# KiCad board thisoneinitiald.kicad_pcb (continued)
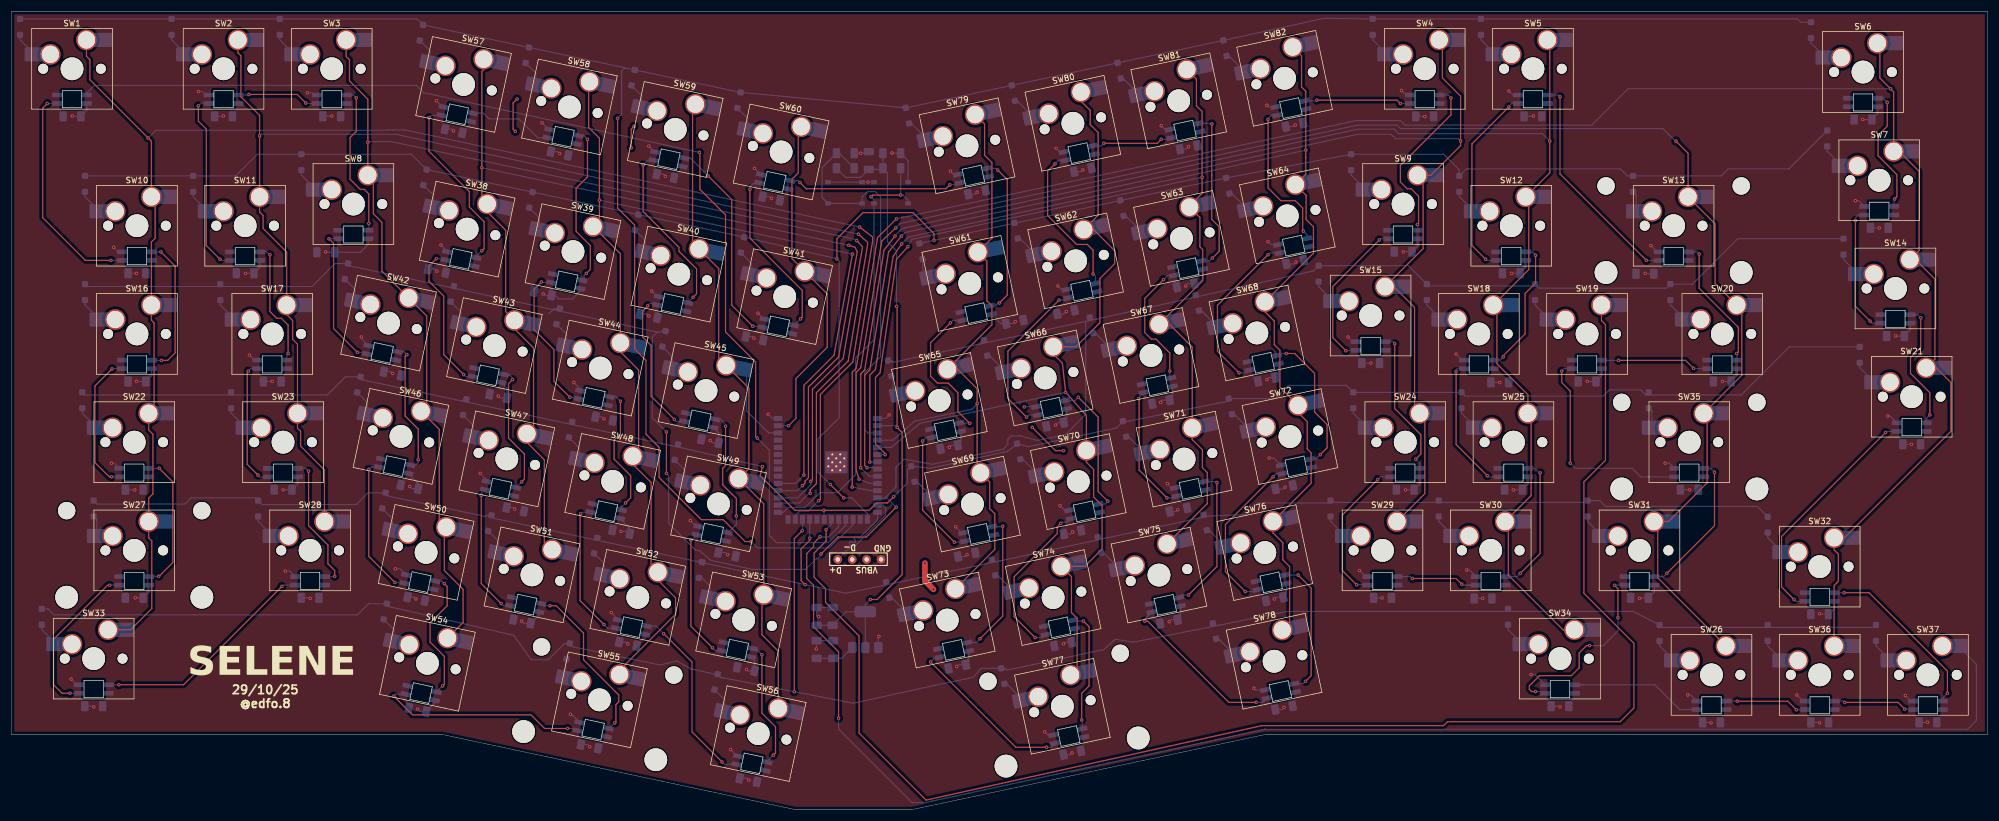
[diagram p0: board, top side]
## Routing (per net, layer and track width the routed paths; a pad name or vN(x,y) marks a point on that pad's centre or on a via; arc(x,y) is an arc through that point) (continued)
COL 14: length 262.6
  Top w0.2: v1(143.42,49.28) 143.42,47.28 141.32,45.18 141.32,40.88 143.32,38.88 143.32,36.48 149.22,30.58 149.22,13.48 161.02,1.68 220.12,14.78 252.12,14.78 252.82,15.48 283.22,15.48 285.62,17.88 285.62,29.28 276.82,38.08 276.82,57.68 280.62,61.48 280.62,85.38 279.92,86.08 SW19.1
  Bottom w0.2: v1(143.42,49.28) 144.36,50.22 144.36,51.08
COL 15: length 297.4
  Top w0.2: v1(293.02,117.68) 295.16,115.54 SW13.1 299.92,103.1 299.92,92.62 SW20.1 304.62,87.92 304.62,76.46 SW35.1 298.52,69.16 298.52,57.53 291.7,50.71 SW31.1 289.82,50.05 289.82,40.81 SW26.1 ; v1(149.22,58.18) 148.72,59.78 148.72,76.98 149.52,77.78 153.22,100.08 v1(155.7,102.41)
  Bottom w0.2: v1(155.7,102.41) 156.52,103.18 236.92,120.48 243.92,120.48 244.52,119.88 290.72,119.88 292.92,117.68 v1(293.02,117.68) ; v1(149.22,58.18) 151.09,57.41 U3.10
COL 16: length 360
  Top w0.2: SW6.1 328.92,134.49 328.92,128.78 331.35,126.35 SW7.1 332.34,115.86 335.82,112.38 335.82,98.42 SW14.1 335.19,96.81 338.62,93.38 338.62,79.31 SW21.1 338.84,77.76 341.42,75.18 341.42,66.58 322.69,47.85 SW32.1 320.88,45.73 321.62,44.98 321.62,40.18 320.88,39.44 SW36.1 ; v1(148.02,56.78) 148.02,76.98 148.72,77.68 152.48,100.68 v1(155.82,104)
  Bottom w0.2: U3.11 151.26,56.14 v1(148.02,56.78) ; v1(330.82,126.88) 284.62,126.88 278.22,120.48 245.32,120.48 244.52,121.28 236.72,121.28 v1(155.82,104)
COL 17: length 264.6
  Top w0.2: v1(142.37,48.03) 141.22,46.88 141.22,46.28 140.02,45.08 140.02,40.68 141.22,39.48 141.22,32.18 145.62,27.78 v1(145.62,16.08)
  Bottom w0.2: v1(145.62,16.08) 145.62,14.18 158.57,1.24 160.82,1.24 220.65,14.15 344.39,14.15 345.92,15.68 345.92,25.59 SW37.1 ; v1(142.37,48.03) 142.42,47.98 143.82,47.98 145.62,49.79 U3.19
D+: length 13.2
  Bottom w0.2: U3.14 152.47,51.02 149.32,47.88 arc(149.15,47.81) 148.98,47.88 148.83,48.03 arc(148.66,48.1) 148.49,48.03 148.4,47.95 arc(148.33,47.78) 148.4,47.61 148.56,47.45 arc(148.63,47.28) 148.56,47.11 148.47,47.03 arc(148.3,46.96) 148.13,47.03 147.98,47.18 arc(147.81,47.25) 147.64,47.18 147.55,47.1 arc(147.48,46.93) 147.55,46.76 147.71,46.6 arc(147.78,46.43) 147.71,46.26 U2.4
D-: length 13.2
  Bottom w0.2: U3.13 153.42,53.6 153.92,53.1 153.92,51.84 148.02,45.94 U2.3
LED DATA: length 199.2
  Top w0.2: v1(121.12,115.68) 121.22,115.58 121.22,109.18 125.72,104.68 125.72,84.08 131.02,78.78 131.02,65.68 v1(131.32,65.38)
  Bottom w0.2: v1(131.32,65.38) 133.42,63.28 133.42,48.28 134.72,46.98 143.82,46.98 146.9,50.06 U3.18 ; v1(121.12,115.68) 72.62,126.18 71.32,127.48 14.6,127.48 13.28,126.17 LED1.3
RESET: length 70.3
  Bottom w0.2: R1.2 145.73,115.54 C1.1 142.72,113.01 142.72,107.75 S1.A S1.B 149.76,107.82 150.72,108.79 152.13,108.79 153.03,107.88 153.03,79.74 150.22,76.93 150.22,66.88 150.8,66.3 U3.3
ROW 1: length 436.7
  Top w0.2: v1(130.22,47.18) 130.32,47.18 129.17,47.18 125.32,51.03 121.47,51.03 114.02,58.48 114.02,63.78 111.72,66.08 111.72,79.08 109.72,81.08 109.72,102.88 106.72,105.88 v1(106.72,121.68)
  Bottom w0.2: U3.17 148.17,50.13 146.22,48.18 146.12,48.18 144.02,46.08 131.32,46.08 v1(130.22,47.18) ; D6.1 315,138.6 314.43,139.17 D4.1 231.02,139.28 D82.1 D79.1 D60.1 108.02,130.57 ; 108.02,130.57 107.42,129.97 107.42,122.38 v1(106.72,121.68) ; 108.02,130.57 D57.1 71.43,139.17 D1.1
ROW 2: length 382
  Top w0.2: v1(146.52,54.88) v1(144.17,57.23) ; v1(145.32,96.96) 145.32,100.48 149.92,105.08 158.72,105.08 162.42,101.38 v1(162.42,100.21)
  Bottom w0.2: D61.1 v1(162.42,100.21) D64.1 D9.1 252.15,115.36 254.9,112.61 D12.1 256.13,112.78 283.23,112.78 284.47,111.55 300.98,111.55 302.22,112.78 312.9,112.78 D7.1 ; v1(144.17,57.23) 142.02,59.38 142.02,65.28 145.72,68.98 145.72,96.56 v1(145.32,96.96) D41.1 D38.1 70.4,115.36 D8.1 43.3,115.36 39.49,111.55 D11.1 D10.1 ; U3.15 150.71,52.1 147.92,54.88 v1(146.52,54.88)
ROW 3: length 433.2
  Top w0.2: v1(155.77,53.23) 150.52,47.98 145.52,47.98 v1(142.52,44.98) ; v1(115.32,59.18) v1(115.32,66.48)
  Bottom w0.2: 153.92,54.98 153.72,54.78 153,54.78 152.91,54.87 U3.12 ; 153.92,54.98 155.72,56.78 155.72,60.28 157.12,61.68 162.12,60.78 174.72,63.48 175.42,64.48 175.42,65.18 176.02,65.78 177.62,65.78 180.62,64.98 185.52,65.98 189.12,69.58 189.12,85.94 ; 153.92,54.98 154.02,54.98 v1(155.77,53.23) ; D65.1 154.94,79.05 155.22,78.77 170.52,81.96 ; 170.52,81.96 171.21,82.65 D66.1 ; 170.52,81.96 189.12,85.94 ; D16.1 13.38,92.08 36.36,92.08 D17.1 37.19,92.08 52.92,92.08 56.96,96.12 D42.1 59.79,95.6 60.12,95.6 113.72,84.04 ; v1(142.52,44.98) 142.52,44.78 141.92,44.18 141.72,44.18 139.82,42.28 130.42,42.28 123.12,43.88 121.09,45.64 120.47,45.64 115.72,50.39 115.72,58.78 v1(115.32,59.18) ; 189.12,85.94 190.72,86.28 229.22,94.83 D15.1 245.94,95.74 D18.1 249.5,92.18 267.91,92.18 D19.1 268.94,91.78 291.33,91.78 D20.1 295.94,92.5 303.94,100.5 D14.1 ; 113.72,84.04 114.12,83.96 114.4,84.24 D45.1 ; 113.72,84.04 112.82,83.14 112.82,68.98 v1(115.32,66.48) ; 233.32,95.74 232.12,95.74 ; 94.62,87.28 95.53,88.2 D44.1
ROW 4: length 336.4
  Top w0.2: v1(132.22,60.38) 131.82,58.78 137.92,52.68 v1(143.02,52.68) 151.02,52.68 152.32,53.98 154.22,53.98 v1(155.32,55.08)
  Bottom w0.2: D21.1 312.99,81.45 304.52,72.98 287.7,72.98 286.8,73.88 281.32,73.88 280.22,72.78 255.94,72.78 255.28,73.45 236.23,73.45 234.99,74.68 224.82,74.68 222.47,72.34 D72.1 213.67,71.7 213.12,71.7 196.6,68.38 D71.1 194.52,67.18 179.02,63.88 D70.1 175.42,63.08 161.82,60.08 D69.1 157.72,59.77 157.72,57.48 v1(155.32,55.08) ; D47.1 79.74,72.22 79.42,71.9 62.04,75.6 D46.1 58.81,76.18 55.62,72.98 12.95,72.98 12.48,73.45 ; U3.21 143.09,52.62 v1(143.02,52.68) ; 79.32,71.92 99.62,67.58 118.42,63.58 v1(132.22,60.38)
ROW 5: length 316.7
  Top w0.2: v1(139.72,39.62) 139.02,40.32 139.02,45.88 140.55,47.41 v1(140.55,47.78)
  Bottom w0.2: D32.1 307.34,53.38 280.62,53.38 279.6,54.4 D31.1 277.15,54.08 251.59,54.08 D30.1 250.96,54.08 232.54,54.08 D29.1 231.81,53.98 219.42,53.98 217.36,51.92 210.82,51.68 192.62,47.78 174.02,43.78 146.92,38.08 120.82,43.64 ; 120.82,43.64 85.22,51.22 85.1,51.22 D51.1 83.74,51.8 83.52,51.59 66.5,55.14 D50.1 62.84,55.76 62.82,55.78 60.72,53.68 44.16,53.68 D28.1 42.96,54.88 31.62,54.88 30.52,53.78 15.1,53.78 D27.1 ; 120.82,43.64 121.06,43.88 121.78,43.88 ; v1(140.55,47.78) U3.23
ROW 6: length 365.1
  Top w0.2: v1(137.82,20.76) 137.82,47.68 v1(139.22,49.08)
  Bottom w0.2: D37.1 327.83,32.08 290.54,32.08 D26.1 285.52,34.88 224.52,34.88 212.72,32.48 197.52,29.48 194.32,29.98 192.32,28.18 175.22,24.54 174.89,24.87 D77.1 170.71,24.87 169.32,23.28 162.52,21.88 148.22,18.73 v1(137.82,20.76) ; v1(137.82,20.76) 137.9,20.76 ; v1(137.82,20.76) 125.32,23.19 125.01,23.19 D56.1 123.74,23.86 119.62,24.78 117.12,26.18 114.22,25.45 98.93,28.63 D55.1 97.39,29.25 94.52,26.38 91.52,26.38 88.42,30.68 67.12,35.6 66.75,35.6 D54.1 62.87,36.24 60.92,34.28 7.52,34.28 6.46,35.35 5.34,35.35 ; U3.24 139.28,49.14 v1(139.22,49.08)
Net-(D1-A): length 4.5
  Bottom w0.2: D1.2 1.53,135.51 SW1.2
Net-(D2-A): length 4.5
  Bottom w0.2: D2.2 28.2,135.51 SW2.2
Net-(D3-A): length 4.5
  Bottom w0.2: D3.2 47.25,135.51 SW3.2
Net-(D4-A): length 4.5
  Bottom w0.2: D4.2 239.66,135.51 SW4.2
Net-(D5-A): length 4.5
  Bottom w0.2: D5.2 258.7,135.51 SW5.2
Net-(D6-A): length 4.5
  Bottom w0.2: SW6.2 316.81,134.94 D6.2
Net-(D7-A): length 4.5
  Bottom w0.2: D7.2 319.66,115.89 SW7.2
Net-(D8-A): length 4.5
  Bottom w0.2: SW8.2 51.06,111.7 D8.2
Net-(D9-A): length 4.5
  Bottom w0.2: SW9.2 235.84,111.7 D9.2
Net-(D10-A): length 4.5
  Bottom w0.2: SW10.2 12.96,107.89 12.96,108.75
Net-(D11-A): length 4.5
  Bottom w0.2: SW11.2 32.01,107.89 32.01,108.75
Net-(D12-A): length 4.5
  Bottom w0.2: SW12.2 254.9,107.89 254.9,108.75
Net-(D13-A): length 3.7
  Bottom w0.2: 285.47,108.75 286.03,108.18 SW13.2
Net-(D14-A): length 4.5
  Bottom w0.2: SW14.2 322.52,96.84 D14.2
Net-(D15-A): length 4.5
  Bottom w0.2: D15.2 230.13,92.08 SW15.2
Net-(D16-A): length 4.5
  Bottom w0.2: D16.2 12.96,88.84 SW16.2
Net-(D17-A): length 4.5
  Bottom w0.2: D17.2 36.77,88.84 SW17.2
Net-(D18-A): length 4.5
  Bottom w0.2: D18.2 249.18,88.84 SW18.2
Net-(D19-A): length 4.5
  Bottom w0.2: SW19.2 268.23,88.84 D19.2
Net-(D20-A): length 4.5
  Bottom w0.2: SW20.2 292.04,88.84 D20.2
Net-(D21-A): length 4.5
  Bottom w0.2: D21.2 325.38,77.79 SW21.2
Net-(D22-A): length 4.5
  Bottom w0.2: D22.2 12.48,69.79 SW22.2
Net-(D23-A): length 4.5
  Bottom w0.2: SW23.2 38.68,69.79 D23.2
Net-(D24-A): length 4.5
  Bottom w0.2: D24.2 236.23,69.79 SW24.2
Net-(D25-A): length 4.5
  Bottom w0.2: SW25.2 255.28,69.79 D25.2
Net-(D26-A): length 4.5
  Bottom w0.2: D26.2 290.14,28.83 SW26.2
Net-(D27-A): length 3.7
  Bottom w0.2: D27.2 15.05,51.03 SW27.2
Net-(D28-A): length 4.5
  Bottom w0.2: SW28.2 43.44,50.74 D28.2
Net-(D29-A): length 4.5
  Bottom w0.2: D29.2 232.23,50.74 SW29.2
Net-(D30-A): length 4.5
  Bottom w0.2: D30.2 251.28,50.74 SW30.2
Net-(D31-A): length 4.5
  Bottom w0.2: D31.2 277.47,50.74 SW31.2
Net-(D32-A): length 4.5
  Bottom w0.2: D32.2 309.19,47.88 SW32.2
Net-(D33-A): length 4.5
  Bottom w0.2: SW33.2 5.34,31.69 D33.2
Net-(D34-A): length 4.5
  Bottom w0.2: D34.2 263.47,31.69 SW34.2
Net-(D35-A): length 3.7
  Bottom w0.2: SW35.2 288.8,70.08 D35.2
Net-(D36-A): length 4.5
  Bottom w0.2: SW36.2 309.19,28.83 D36.2
Net-(D37-A): length 4.5
  Bottom w0.2: SW37.2 328.24,28.83 D37.2
Net-(D38-A): length 4.6
  Bottom w0.2: D38.2 74.32,108.12 SW38.2
Net-(D39-A): length 4.6
  Bottom w0.2: SW39.2 92.95,104.16 D39.2
Net-(D40-A): length 4.6
  Bottom w0.2: SW40.2 111.59,100.2 D40.2
Net-(D41-A): length 4.6
  Bottom w0.2: D41.2 130.22,96.24 SW41.2
Net-(D42-A): length 4.6
  Bottom w0.2: D42.2 60.48,91.58 SW42.2
Net-(D43-A): length 4.6
  Bottom w0.2: SW43.2 79.12,87.62 D43.2
Net-(D44-A): length 4.6
  Bottom w0.2: D44.2 97.75,83.66 SW44.2
Net-(D45-A): length 4.6
  Bottom w0.2: SW45.2 116.38,79.71 D45.2
Net-(D46-A): length 4.6
  Bottom w0.2: SW46.2 62.67,71.64 D46.2
Net-(D47-A): length 4.6
  Bottom w0.2: D47.2 81.31,67.68 SW47.2
Net-(D48-A): length 4.6
  Bottom w0.2: SW48.2 99.94,63.72 D48.2
Net-(D49-A): length 4.6
  Bottom w0.2: SW49.2 118.57,59.76 D49.2
Net-(D50-A): length 4.6
  Bottom w0.2: D50.2 67.1,51.23 SW50.2
Net-(D51-A): length 4.6
  Bottom w0.2: SW51.2 85.73,47.27 D51.2
Net-(D52-A): length 4.6
  Bottom w0.2: D52.2 104.36,43.31 SW52.2
Net-(D53-A): length 4.6
  Bottom w0.2: SW53.2 123,39.35 121.2,41.14
Net-(D54-A): length 4.6
  Bottom w0.2: SW54.2 67.33,31.7 D54.2
Net-(D55-A): length 3.4
  Bottom w0.2: SW55.2 97.61,26.39 D55.2
Net-(D56-A): length 4.6
  Bottom w0.2: SW56.2 125.56,19.33 D56.2
Net-(D57-A): length 4.6
  Bottom w0.2: D57.2 73.69,133.59 SW57.2
Net-(D58-A): length 4.6
  Bottom w0.2: SW58.2 92.32,129.63 D58.2
Net-(D59-A): length 4.6
  Bottom w0.2: D59.2 110.96,125.67 SW59.2
Net-(D60-A): length 4.6
  Bottom w0.2: SW60.2 129.59,121.71 D60.2
Net-(D61-A): length 3.7
  Bottom w0.2: SW61.2 160.41,95.08 D61.2
Net-(D62-A): length 4.4
  Bottom w0.2: SW62.2 177.56,100.53 D62.2
Net-(D63-A): length 4.4
  Bottom w0.2: SW63.2 196.19,104.49 D63.2
Net-(D64-A): length 4.4
  Bottom w0.2: D64.2 214.83,108.45 SW64.2
Net-(D65-A): length 3.8
  Bottom w0.2: SW65.2 155.21,74.31 155.21,76.41
Net-(D66-A): length 4.4
  Bottom w0.2: SW66.2 172.2,79.92 D66.2
Net-(D67-A): length 4.4
  Bottom w0.2: D67.2 190.84,83.88 SW67.2
Net-(D68-A): length 4.4
  Bottom w0.2: D68.2 209.47,87.84 SW68.2
Net-(D69-A): length 4.4
  Bottom w0.2: SW69.2 159.39,57.72 D69.2
Net-(D70-A): length 4.4
  Bottom w0.2: SW70.2 178.03,61.68 D70.2
Net-(D71-A): length 4.4
  Bottom w0.2: D71.2 196.66,65.64 SW71.2
Net-(D72-A): length 4.4
  Bottom w0.2: SW72.2 215.29,69.6 D72.2
Net-(D73-A): length 4.4
  Bottom w0.2: SW73.2 154.97,37.3 D73.2
Net-(D74-A): length 4.4
  Bottom w0.2: D74.2 173.6,41.26 SW74.2
Net-(D75-A): length 4.4
  Bottom w0.2: SW75.2 192.23,45.22 D75.2
Net-(D76-A): length 4.4
  Bottom w0.2: D76.2 210.87,49.18 SW76.2
Net-(D77-A): length 4.4
  Bottom w0.2: D77.2 175.23,22.13 SW77.2
Net-(D78-A): length 4.4
  Bottom w0.2: D78.2 212.5,30.05 SW78.2
Net-(D79-A): length 4.4
  Bottom w0.2: D79.2 158.44,120.78 SW79.2
Net-(D80-A): length 4.4
  Bottom w0.2: SW80.2 177.08,124.74 D80.2
Net-(D81-A): length 4.4
  Bottom w0.2: D81.2 195.71,128.7 SW81.2
Net-(D82-A): length 4.4
  Bottom w0.2: SW82.2 214.35,132.67 D82.2
Net-(LED1-DOUT): length 39.3
  Top w0.2: v1(17.52,96.68) 13.02,96.68 5.52,104.18 5.52,123.48 v1(6.32,124.28)
  Bottom w0.2: v1(17.52,96.68) 19.5,96.68 LED10.3 ; LED1.1 6.33,124.29 v1(6.32,124.28)
Net-(LED2-DOUT): length 14.5
  Top w0.2: v1(41.82,125.88) 50.32,125.88 v1(51.82,124.38)
  Bottom w0.2: v1(41.82,125.88) 41.73,125.79 LED2.1 ; v1(51.82,124.38) 51.91,124.29 LED3.3
Net-(LED3-DOUT): length 27.5
  Top w0.2: v1(62.92,103.18) 62.92,108.38 62.12,109.18 61.42,109.18 59.62,110.98 59.62,118.28 60.72,119.38 v1(60.72,125.28)
  Bottom w0.2: LED3.1 60.21,125.79 v1(60.72,125.28) ; v1(62.92,103.18) 62.92,102.09 LED8.3
Net-(LED4-DIN): length 18.9
  Top w0.2: v1(244.52,124.28) 243.92,124.88 v1(229.82,124.88)
  Bottom w0.2: v1(244.52,124.28) 246.2,124.28 LED4.3 ; v1(229.82,124.88) 229.7,124.76 LED82.1
Net-(LED4-DOUT): length 31.1
  Top w0.2: v1(253.42,125.28) 253.42,122.28 244.52,113.38 244.52,110.48 245.72,109.28 246.42,109.28 247.72,107.98 247.72,103.18 v1(247.52,102.98)
  Bottom w0.2: v1(253.42,125.28) 252.91,125.79 251.41,125.79 ; v1(247.52,102.98) 247.59,102.91 LED9.3
Net-(LED6-DIN): length 22.5
  Top w0.2: v1(330.22,124.48) 330.22,120.28 328.62,118.68 328.62,115.08 331.92,111.78 331.92,107.88 v1(331.52,107.48)
  Bottom w0.2: v1(331.52,107.48) 331.41,107.38 LED7.1 ; v1(330.22,124.48) 329.48,125.22 LED6.3
Net-(LED10-DOUT): length 25.1
  Top w0.2: v1(26.32,98.18) 28.82,95.68 28.82,80.38 27.52,79.08 v1(26.42,79.08)
  Bottom w0.2: LED16.3 24.75,79.08 v1(26.42,79.08) ; v1(26.32,98.18) 26.31,98.17 LED10.1
Net-(LED11-DIN): length 22.5
  Top w0.2: v1(45.52,97.68) 45.52,87.68 46.72,86.48 47.52,86.48 48.72,85.28 v1(48.72,80.28)
  Bottom w0.2: v1(45.52,97.68) 45.42,97.68 44.82,98.28 43.87,98.28 LED11.3 ; v1(48.72,80.28) 48.52,80.09 LED17.1
Net-(LED11-DOUT): length 32.7
  Top w0.2: 34.32,119.58 34.32,119.78 32.92,121.18 v1(32.92,123.88) ; 34.32,119.58 34.32,99.28 v1(36.72,96.88) ; 34.32,119.58 34.32,119.48
  Bottom w0.2: v1(32.92,123.88) 33.42,124.38 34.66,124.38 LED2.3 ; LED11.1 36.93,96.67 v1(36.72,96.88)
Net-(LED12-DIN): length 34.5
  Top w0.2: v1(263.62,123.68) 257.12,117.18 257.12,99.28 v1(259.52,96.88)
  Bottom w0.2: v1(259.52,96.88) 259.73,96.67 LED18.1 ; 265.25,124.29 265.16,124.38 264.22,124.38 263.62,123.78 v1(263.62,123.68)
Net-(LED12-DOUT): length 39.6
  Top w0.2: v1(287.82,96.68) 272.62,111.88 v1(272.62,125.48)
  Bottom w0.2: LED12.1 272.31,125.79 v1(272.62,125.48) ; v1(287.82,96.68) 287.83,96.67 LED5.3
Net-(LED13-DIN): length 23.7
  Top w0.2: v1(297.12,97.78) 297.12,91.78 304.02,84.88 304.02,80.58 v1(303.72,80.28)
  Bottom w0.2: v1(297.12,97.78) 296.73,98.17 LED5.1 ; v1(303.72,80.28) 303.79,80.21 LED13.3
Net-(LED13-DOUT): length 19.2
  Top w0.2: v1(296.12,77.68) 294.72,79.08 v1(282.92,79.08)
  Bottom w0.2: v1(296.12,77.68) 296.18,77.62 LED13.1 ; v1(282.92,79.08) 280.02,79.08 LED20.3
Net-(LED14-DIN): length 23
  Top w0.2: v1(337.72,69.48) 337.72,73.38 334.32,76.78 334.32,79.58 336.12,81.38 v1(336.12,86.58)
  Bottom w0.2: v1(336.12,86.58) 335.58,87.12 LED14.3 ; LED21.1 337.13,68.89 v1(337.72,69.48)
Net-(LED14-DOUT): length 23.1
  Top w0.2: v1(327.22,85.98) 324.62,88.58 v1(324.62,103.68)
  Bottom w0.2: v1(324.62,103.68) 324.62,104.18 325.11,104.67 LED7.3 ; v1(327.22,85.98) 327.58,85.62 LED14.1
Net-(LED15-DIN): length 27.3
  Top w0.2: v1(240.82,100.28) 232.62,92.08 232.62,83.08 v1(234.92,80.78)
  Bottom w0.2: v1(240.82,100.28) 241.02,100.48 LED9.1 ; v1(234.92,80.78) 236.6,80.78 LED15.3
Net-(LED15-DOUT): length 26.4
  Top w0.2: v1(247.22,61.68) 248.12,62.58 248.12,65.99 243.52,70.59 v1(243.52,81.98)
  Bottom w0.2: LED15.1 243.34,82.36 243.52,82.18 v1(243.52,81.98) ; v1(247.22,61.68) 247.98,60.93 LED24.3
Net-(LED16-DOUT): length 24.9
  Top w0.2: v1(17.72,77.58) 14.72,74.58 14.72,61.08 17.22,58.58 v1(17.62,58.58)
  Bottom w0.2: v1(17.72,77.58) 17.76,77.62 LED16.1 ; v1(17.62,58.58) 19.02,58.58 LED22.3
Net-(LED17-DIN): length 22.9
  Top w0.2: v1(41.72,77.18) 41.52,76.98 41.52,60.78 v1(43.42,58.88)
  Bottom w0.2: v1(43.42,58.88) 43.73,58.57 LED23.1 ; LED17.3 42.16,77.62 v1(41.72,77.18)
Net-(LED18-DIN): length 24.1
  Top w0.2: v1(262.62,79.68) 262.62,79.88 266.47,83.73 266.47,90.83 268.32,92.68 v1(268.32,97.58)
  Bottom w0.2: v1(268.32,97.58) 267.73,98.17 LED18.3 ; LED19.1 262.06,79.12 v1(262.62,79.68)
Net-(LED19-DIN): length 24.5
  Top w0.2: v1(259.82,58.78) 254.32,64.28 v1(254.32,77.08)
  Bottom w0.2: v1(254.32,77.08) 254.32,77.38 254.52,77.58 255.69,77.58 LED19.3 ; v1(259.82,58.78) 260.03,58.57 LED25.1
Net-(LED20-DOUT): length 38.2
  Top w0.2: v1(272.92,77.18) 272.92,75.18 274.42,73.68 v1(274.42,60.98)
  Bottom w0.2: LED26.3 286.83,58.57 285.32,60.08 275.32,60.08 v1(274.42,60.98) ; v1(272.92,77.18) 273.36,77.62 LED20.1
Net-(LED21-DIN): length 42
  Top w0.2: v1(313.82,36.98) 311.62,39.18 311.62,48.08 v1(329.92,66.38)
  Bottom w0.2: v1(329.92,66.38) 330.11,66.57 LED21.3 ; v1(313.82,36.98) 314.14,36.66 LED32.1
Net-(LED22-DOUT): length 24.6
  Top w0.2: v1(25.92,41.08) 26.02,41.08 28.42,43.48 28.42,57.68 v1(26.02,60.08)
  Bottom w0.2: v1(26.02,60.08) 26.01,60.07 LED22.1 ; LED27.3 24.3,41.08 v1(25.92,41.08)
Net-(LED23-DIN): length 24.3
  Top w0.2: v1(56.92,41.08) 56.92,42.08 55.72,43.28 55.72,46.58 52.32,49.98 v1(52.32,59.58)
  Bottom w0.2: v1(56.92,41.08) 56.86,41.02 LED28.1 ; LED23.3 51.83,60.07 v1(52.32,59.58)
Net-(LED24-DOUT): length 26.5
  Top w0.2: v1(236.82,39.58) 234.32,42.08 234.32,51.88 v1(240.52,58.08)
  Bottom w0.2: v1(236.82,39.58) 238.71,39.58 LED29.3 ; LED24.1 241.01,58.57 v1(240.52,58.08)
Net-(LED25-DIN): length 24.4
  Top w0.2: v1(269.12,59.28) 269.12,45.08 v1(265.62,41.58)
  Bottom w0.2: v1(269.12,59.28) 268.92,59.28 268.13,60.07 LED25.3 ; LED30.1 265.06,41.02 v1(265.62,41.58)
Net-(LED26-DOUT): length 25.9
  Top w0.2: v1(299.82,59.38) 299.82,49.98 v1(291.42,41.58)
  Bottom w0.2: LED26.1 299.13,60.07 v1(299.82,59.38) ; v1(291.42,41.58) 290.82,40.98 289.26,40.98 LED31.3
Net-(LED27-DOUT): length 28.7
  Top w0.2: v1(10.32,20.48) 8.92,20.48 7.42,21.98 7.42,29.98 16.92,39.48 v1(17.32,39.48)
  Bottom w0.2: LED27.1 17.36,39.52 v1(17.32,39.48) ; LED33.3 11.88,20.48 v1(10.32,20.48)
Net-(LED28-DIN): length 40.2
  Top w0.2: v1(18.92,21.98) 30.32,21.98 v1(47.62,39.28)
  Bottom w0.2: v1(47.62,39.28) 47.86,39.52 LED28.3 ; v1(18.92,21.98) 18.91,21.97 LED33.1
Net-(LED29-DOUT): length 16.1
  Top w0.2: v1(246.62,40.68) 254.32,40.68 v1(255.32,39.68)
  Bottom w0.2: LED30.3 255.48,39.52 v1(255.32,39.68) 255.52,39.48 256.82,39.48 ; v1(246.62,40.68) 246.28,41.02 LED29.1
Net-(LED31-DOUT): length 34.9
  Top w0.2: v1(282.82,33.78) 282.82,38.88 v1(282.22,39.48) ; v1(277.82,28.88) 277.29,28.88 275.99,27.58 275.99,24.96 274.62,23.58 269.02,23.58 267.22,21.78 267.22,21.18 267.62,20.78 v1(268.32,20.78)
  Bottom w0.2: v1(268.32,20.78) 269.7,20.78 LED34.3 ; v1(282.22,39.48) 282.26,39.52 LED31.1 ; v1(282.82,33.78) 282.82,31.48 280.22,28.88 v1(277.82,28.88)
Net-(LED32-DIN): length 31.2
  Top w0.2: v1(322.62,38.18) 327.02,38.18 340.82,24.38 v1(340.82,20.48)
  Bottom w0.2: v1(322.62,38.18) 320.96,38.18 LED32.3 ; v1(340.82,20.48) 339.99,19.65 LED37.1
Net-(LED34-DOUT): length 25
  Bottom w0.2: 276.83,21.97 LED34.1 289.33,21.97 293.69,17.61 LED35.3 296.62,17.68
Net-(LED35-DOUT): length 14.5
  Top w0.2: v1(303.82,19.08) 312.72,19.08 v1(314.22,17.58)
  Bottom w0.2: v1(314.22,17.58) 315.71,17.58 LED36.3 ; LED35.1 303.79,19.11 v1(303.82,19.08)
Net-(LED36-DOUT): length 14.5
  Top w0.2: v1(333.32,17.68) 332.12,18.88 v1(322.72,18.88)
  Bottom w0.2: LED36.1 322.49,19.11 v1(322.72,18.88) ; LED37.3 334.72,17.68 v1(333.32,17.68)
Net-(LED38-DIN): length 27.4
  Top w0.2: v1(79.62,76.58) 76.12,80.08 76.12,90.38 73.52,92.98 73.52,95.68 v1(74.82,96.98)
  Bottom w0.2: LED38.3 76.16,96.48 76.16,96.98 v1(74.82,96.98) ; v1(79.62,76.58) 79.96,76.24 LED43.1
Net-(LED38-DOUT): length 31.7
  Top w0.2: v1(82.82,98.38) 83.22,98.78 83.22,103.48 80.62,106.08 80.62,108.78 73.52,115.88 v1(73.52,121.78)
  Bottom w0.2: LED57.3 73.94,122.21 v1(73.52,121.78) ; LED38.1 81.82,97.38 v1(82.82,98.38)
Net-(LED39-DIN): length 27.6
  Top w0.2: v1(98.32,72.58) 95.52,75.38 95.52,80.98 92.02,84.48 92.02,91.58 v1(93.32,92.88)
  Bottom w0.2: 100.08,71.9 100.15,72.25 100.12,72.28 LED39.3 99.55,72.58 v1(98.32,72.58) ; v1(93.32,92.88) 93.42,92.78 LED59.1
Net-(LED39-DOUT): length 23.8
  Top w0.2: v1(108.12,53.98) 109.02,54.88 109.02,58.78 106.12,61.68 106.12,65.08 107.22,66.18 v1(107.22,71.88)
  Bottom w0.2: v1(108.12,53.98) 107.44,53.3 LED44.3 ; v1(107.22,71.88) 106.43,72.67 LED39.1
Net-(LED40-DIN): length 37.1
  Top w0.2: v1(130.52,85.08) 126.82,88.78 126.82,107.38 v1(122.67,111.53)
  Bottom w0.2: LED40.3 132.1,85.08 v1(130.52,85.08) ; v1(122.67,111.53) 119.53,114.67 LED41.1
Net-(LED40-DOUT): length 30.8
  Top w0.2: v1(130.02,109.18) 130.02,100.58 139.22,91.38 139.22,86.68 v1(138.92,86.38)
  Bottom w0.2: v1(138.92,86.38) 137.78,85.25 LED40.1 ; LED60.3 131.55,110.18 130.59,110.18 130.02,109.62 v1(130.02,109.18)
Net-(LED41-DIN): length 31
  Top w0.2: v1(120.02,90.18) 120.62,90.78 120.62,95.18 117.52,98.28 117.52,98.98 111.22,105.28 v1(111.22,113.48)
  Bottom w0.2: LED45.1 119.09,89.25 v1(120.02,90.18) ; LED41.3 112.02,114.29 v1(111.22,113.48)
Net-(LED42-DIN): length 25.5
  Top w0.2: v1(60.92,80.48) 56.72,84.68 56.72,99.68 v1(55.92,100.48)
  Bottom w0.2: v1(60.92,80.48) 62.3,80.48 LED42.3 ; LED8.1 55.92,100.48 v1(55.92,100.48)
Net-(LED42-DOUT): length 23.6
  Top w0.2: v1(69.62,80.08) 69.32,79.78 69.32,69.28 71.62,66.98 v1(71.62,61.58)
  Bottom w0.2: LED42.1 69.12,80.59 v1(69.62,80.08) ; LED46.3 71.19,60.65 71.62,61.08 v1(71.62,61.58)
Net-(LED43-DIN): length 23.3
  Top w0.2: v1(89.82,57.68) 90.32,58.18 90.32,62.58 87.52,65.38 87.52,74.98 v1(88.22,75.68)
  Bottom w0.2: LED47.1 88.82,56.69 v1(89.82,57.68) ; LED43.3 86.76,76.48 87.72,76.48 88.22,75.98 v1(88.22,75.68)
Net-(LED44-DOUT): length 25.6
  Top w0.2: v1(104.32,32.58) 100.12,36.78 100.12,51.98 v1(100.22,52.08)
  Bottom w0.2: v1(100.22,52.08) 100.48,52.34 LED44.1 ; LED48.3 104.98,31.93 v1(104.32,32.58)
Net-(LED45-DIN): length 26.6
  Top w0.2: v1(116.72,68.68) 112.62,72.78 112.62,81.68 111.12,83.18 111.12,87.78 v1(112.02,88.68)
  Bottom w0.2: v1(116.72,68.68) 117.08,68.32 LED49.1 ; v1(112.02,88.68) 112.42,89.08 113.42,89.08 LED45.3
Net-(LED46-DOUT): length 25.6
  Top w0.2: v1(62.92,59.88) 62.92,44.58 v1(67.52,39.98)
  Bottom w0.2: LED46.1 63.3,60.26 v1(62.92,59.88) ; LED50.3 69.07,39.98 v1(67.52,39.98)
Net-(LED47-DIN): length 23.5
  Top w0.2: v1(82.72,55.28) 82.72,39.78 v1(86.22,36.28)
  Bottom w0.2: v1(86.22,36.28) 86.62,35.89 LED51.1 ; LED47.3 82.72,55.62 v1(82.72,55.28)
Net-(LED48-DOUT): length 33.1
  Top w0.2: v1(125.12,8.38) 119.82,13.68 119.82,25.98 v1(114.82,30.98)
  Bottom w0.2: v1(125.12,8.38) 125.52,7.98 127.63,7.98 LED52.3 ; LED48.1 113.49,32.31 v1(114.82,30.98)
Net-(LED49-DIN): length 23.2
  Top w0.2: v1(127.62,51.68) 127.62,54.78 125.22,57.18 125.22,60.08 125.72,60.58 v1(125.72,67.48)
  Bottom w0.2: LED53.1 126.2,48.77 127.62,50.18 v1(127.62,51.68) ; v1(125.72,67.48) 125.72,67.78 124.79,68.71 LED49.3
Net-(LED50-DOUT): length 24
  Top w0.2: v1(76.22,39.78) 76.72,39.28 76.72,35.88 73.72,32.88 73.72,29.48 76.22,26.98 76.22,22.08 v1(75.92,21.78)
  Bottom w0.2: LED50.1 75.77,40.24 v1(76.22,39.78) ; v1(75.92,21.78) 75.9,21.78 LED54.3
Net-(LED51-DIN): length 29.8
  Top w0.2: v1(106.22,15.28) 106.42,15.48 106.42,18.48 106.92,18.98 106.92,20.18 100.72,26.38 100.72,31.08 95.92,35.88 v1(94.82,35.88)
  Bottom w0.2: LED55.1 105.21,14.28 v1(106.22,15.28) ; v1(94.82,35.88) 93.62,35.88 LED51.3
Net-(LED52-DOUT): length 22.6
  Top w0.2: v1(132.12,27.28) 132.12,16.98 134.52,14.58 134.52,9.98 v1(134.12,9.58)
  Bottom w0.2: LED56.3 131.05,28.35 v1(132.12,27.28) ; v1(134.12,9.58) 133.06,8.52 LED52.1
Net-(LED53-DIN): length 23.9
  Top w0.2: v1(123.42,28.48) 119.62,32.28 v1(119.62,47.48)
  Bottom w0.2: v1(119.62,47.48) 119.77,47.48 LED53.3 ; v1(123.42,28.48) 123.94,27.97 LED56.1
Net-(LED54-DOUT): length 37.2
  Top w0.2: v1(97.92,14.28) 93.87,14.28 91.47,16.68 70.62,16.68 v1(67.32,19.98)
  Bottom w0.2: LED55.3 99.32,14.28 v1(97.92,14.28) ; v1(67.32,19.98) 67.66,20.32 LED54.1
Net-(LED57-DOUT): length 15
  Bottom w0.2: LED58.3 92.65,118.25 89.32,121.58 84.12,121.58 83.11,122.59 LED57.1
Net-(LED58-DOUT): length 29.2
  Top w0.2: v1(101.42,117.98) 101.42,111.38 99.42,109.38 99.42,101.78 101.92,99.28 101.92,95.08 v1(101.22,94.38)
  Bottom w0.2: v1(101.42,117.98) 100.77,118.64 LED58.1 ; LED59.3 100.82,93.54 100.82,94.08 101.12,94.38 v1(101.22,94.38)
Net-(LED60-DOUT): length 30.9
  Top w0.2: v1(138.82,110.38) 139.92,109.28 164.52,109.28 v1(165.22,109.98)
  Bottom w0.2: LED79.3 166.61,109.98 v1(165.22,109.98) ; LED60.1 138.5,110.71 v1(138.82,110.38)
Net-(LED61-DIN): length 28.6
  Top w0.2: v1(173.62,112.58) 175.32,110.88 175.32,90.58 v1(173.92,89.18)
  Bottom w0.2: v1(173.62,112.58) 173.32,112.88 LED79.1 ; v1(173.92,89.18) 173.72,89.18 173.32,88.78 172.33,88.78 LED61.3
Net-(LED61-DOUT): length 27.3
  Top w0.2: v1(168.72,67.98) 166.62,70.08 166.62,73.38 164.92,75.08 163.02,75.08 161.82,76.28 161.82,82.18 v1(165.32,85.68)
  Bottom w0.2: LED61.1 165.76,86.12 v1(165.32,85.68) ; LED65.3 168.65,68.05 v1(168.72,67.98)
Net-(LED62-DIN): length 29.7
  Top w0.2: v1(184.42,89.68) 175.42,80.68 175.42,72.38 v1(178.72,69.08)
  Bottom w0.2: v1(184.42,89.68) 185.68,89.68 LED62.3 ; v1(178.72,69.08) 179.1,69.46 LED66.1
Net-(LED62-DOUT): length 28.3
  Top w0.2: v1(183.72,113.68) 182.42,112.38 182.42,104.58 187.52,99.48 189.42,99.48 190.42,98.48 v1(190.42,94.28)
  Bottom w0.2: v1(183.72,113.68) 184.33,114.29 LED80.3 ; LED62.1 190.85,93.86 v1(190.42,94.28)
Net-(LED63-DIN): length 29.4
  Top w0.2: v1(211.42,97.08) 212.62,98.28 212.62,102.58 211.32,103.88 211.32,111.68 ; 211.32,111.68 v1(211.32,120.68) ; 211.32,111.68 211.32,111.48
  Bottom w0.2: v1(211.32,120.68) 211.2,120.8 LED81.1 ; LED63.3 210.92,96.59 v1(211.42,97.08)
Net-(LED63-DOUT): length 23.3
  Top w0.2: v1(203.92,77.18) 203.92,80.38 201.47,82.83 200.67,82.83 199.52,83.98 199.52,89.98 v1(202.82,93.28)
  Bottom w0.2: v1(203.92,77.18) 203.92,76.18 LED67.3 ; LED63.1 203.58,94.04 v1(202.82,93.28)
Net-(LED64-DIN): length 30.4
  Top w0.2: v1(216.12,76.88) 212.32,80.68 212.32,88.78 v1(221.22,97.68)
  Bottom w0.2: v1(216.12,76.88) 217.48,76.88 LED68.1 ; v1(221.22,97.68) 221.54,98 LED64.3
Net-(LED64-DOUT): length 27.3
  Top w0.2: v1(227.43,101.81) 227.32,101.92 227.32,105.88 226.02,107.18 223.47,107.18 221.22,109.43 v1(221.22,121.48)
  Bottom w0.2: LED82.3 221.85,122.21 221.22,121.58 v1(221.22,121.48) ; v1(227.43,101.81) 228.12,101.13 LED64.1
Net-(LED65-DOUT): length 24
  Top w0.2: v1(160.42,64.88) 160.42,52.68 v1(166.02,47.08)
  Bottom w0.2: v1(160.42,64.88) 161.04,65.5 LED65.1 ; v1(166.02,47.08) 167.72,47.08 LED69.3
Net-(LED66-DIN): length 25
  Top w0.2: v1(193.02,54.28) 191.32,55.98 191.32,62.35 191.34,62.37 191.34,64.11 191.32,64.13 191.32,69.08 v1(187.82,72.58)
  Bottom w0.2: LED66.3 187.25,72.01 v1(187.82,72.58) ; LED70.1 192.51,53.78 v1(193.02,54.28)
Net-(LED67-DOUT): length 22.9
  Top w0.2: v1(198.47,72.33) 198.52,72.28 198.52,59.78 v1(203.42,54.88)
  Bottom w0.2: LED71.3 204.87,54.88 v1(203.42,54.88) ; LED67.1 198.41,72.48 198.41,72.39 v1(198.47,72.33)
Net-(LED68-DIN): length 26.1
  Top w0.2: v1(224.42,80.28) 225.92,80.28 229.42,76.78 229.42,69.98 231.62,67.78 231.62,63.68 v1(230.42,62.48)
  Bottom w0.2: LED72.1 229.63,61.7 v1(230.42,62.48) ; v1(224.42,80.28) 223.11,80.28 LED68.3
Net-(LED69-DOUT): length 25.9
  Top w0.2: v1(174.52,49.88) 174.52,34.08 v1(170.52,30.08)
  Bottom w0.2: v1(170.52,30.08) 169.83,29.4 LED73.3 ; v1(174.52,49.88) 174.45,49.82 LED69.1
Net-(LED70-DIN): length 29.3
  Top w0.2: v1(180.22,30.28) 176.52,33.98 176.52,40.98 184.12,48.58 184.12,49.78 v1(184.72,50.38)
  Bottom w0.2: LED70.3 185.9,50.58 184.92,50.58 v1(184.72,50.38) ; v1(180.22,30.28) 181.59,30.28 LED74.1
Net-(LED71-DOUT): length 26.1
  Top w0.2: v1(212.22,57.58) 212.22,42.78 v1(207.22,37.78)
  Bottom w0.2: v1(207.22,37.78) 205.99,37.78 LED75.3 ; LED71.1 212.07,57.74 v1(212.22,57.58)
Net-(LED72-DIN): length 29.4
  Top w0.2: v1(222.12,58.58) 213.72,50.18 213.72,41.88 v1(217.22,38.38)
  Bottom w0.2: v1(217.22,38.38) 219.04,38.38 LED76.1 ; LED72.3 222.68,59.15 v1(222.12,58.58)
Net-(LED73-DOUT): length 30.5
  Top w0.2: v1(161.82,25.98) 176.82,10.98 v1(182.22,10.98)
  Bottom w0.2: v1(182.22,10.98) 183.06,10.98 LED77.3 ; LED73.1 162.69,26.85 v1(161.82,25.98)
Net-(LED74-DIN): length 21.9
  Top w0.2: v1(188.42,15.78) 188.42,20.48 189.72,21.78 189.72,32.18 v1(188.72,33.18)
  Bottom w0.2: LED74.3 187.07,33.18 v1(188.72,33.18) ; LED77.1 188.53,15.49 188.42,15.6 v1(188.42,15.78)
Net-(LED75-DOUT): length 29.8
  Top w0.2: v1(219.12,18.88) 214.32,18.88 200.02,33.18 v1(199.52,33.18)
  Bottom w0.2: LED75.1 199.52,33.54 v1(199.52,33.18) ; v1(219.12,18.88) 220.3,18.88 LED78.3
Net-(LED76-DIN): length 24.6
  Top w0.2: v1(226.52,41.28) 228.82,38.98 228.82,23.58 v1(227.82,22.58)
  Bottom w0.2: LED76.3 224.16,41.28 v1(226.52,41.28) ; v1(227.82,22.58) 227.39,22.15 LED78.1
Net-(LED80-DOUT): length 14.4
  Top w0.2: v1(192.32,117.28) 201.72,117.28 v1(202.42,117.98)
  Bottom w0.2: LED80.1 191.87,116.84 v1(192.32,117.28) ; LED81.3 203.96,117.98 v1(202.42,117.98)

## Copper pours and planes (outline as drawn; the poured copper is in the pictures)
+5V on Bottom: -1.07,141.44 -1.07,12.85 76.32,12.85 138.24,-0.25 158.48,-0.25 221.58,12.85 348.98,12.85 348.98,141.44
GND on Top: -1.05,141.48 -1.07,141.43 -1.07,12.85 76.27,12.84 137.37,-2.17 162.23,-2.04 221.4,11.69 349,12.61 349,141.59

## Text on the board
F.Silkscreen: 29/10/25 / @edfo.8 | SELENE
